# Altium PCB XMS0004.PcbDoc (part 4 of 5) (continued)
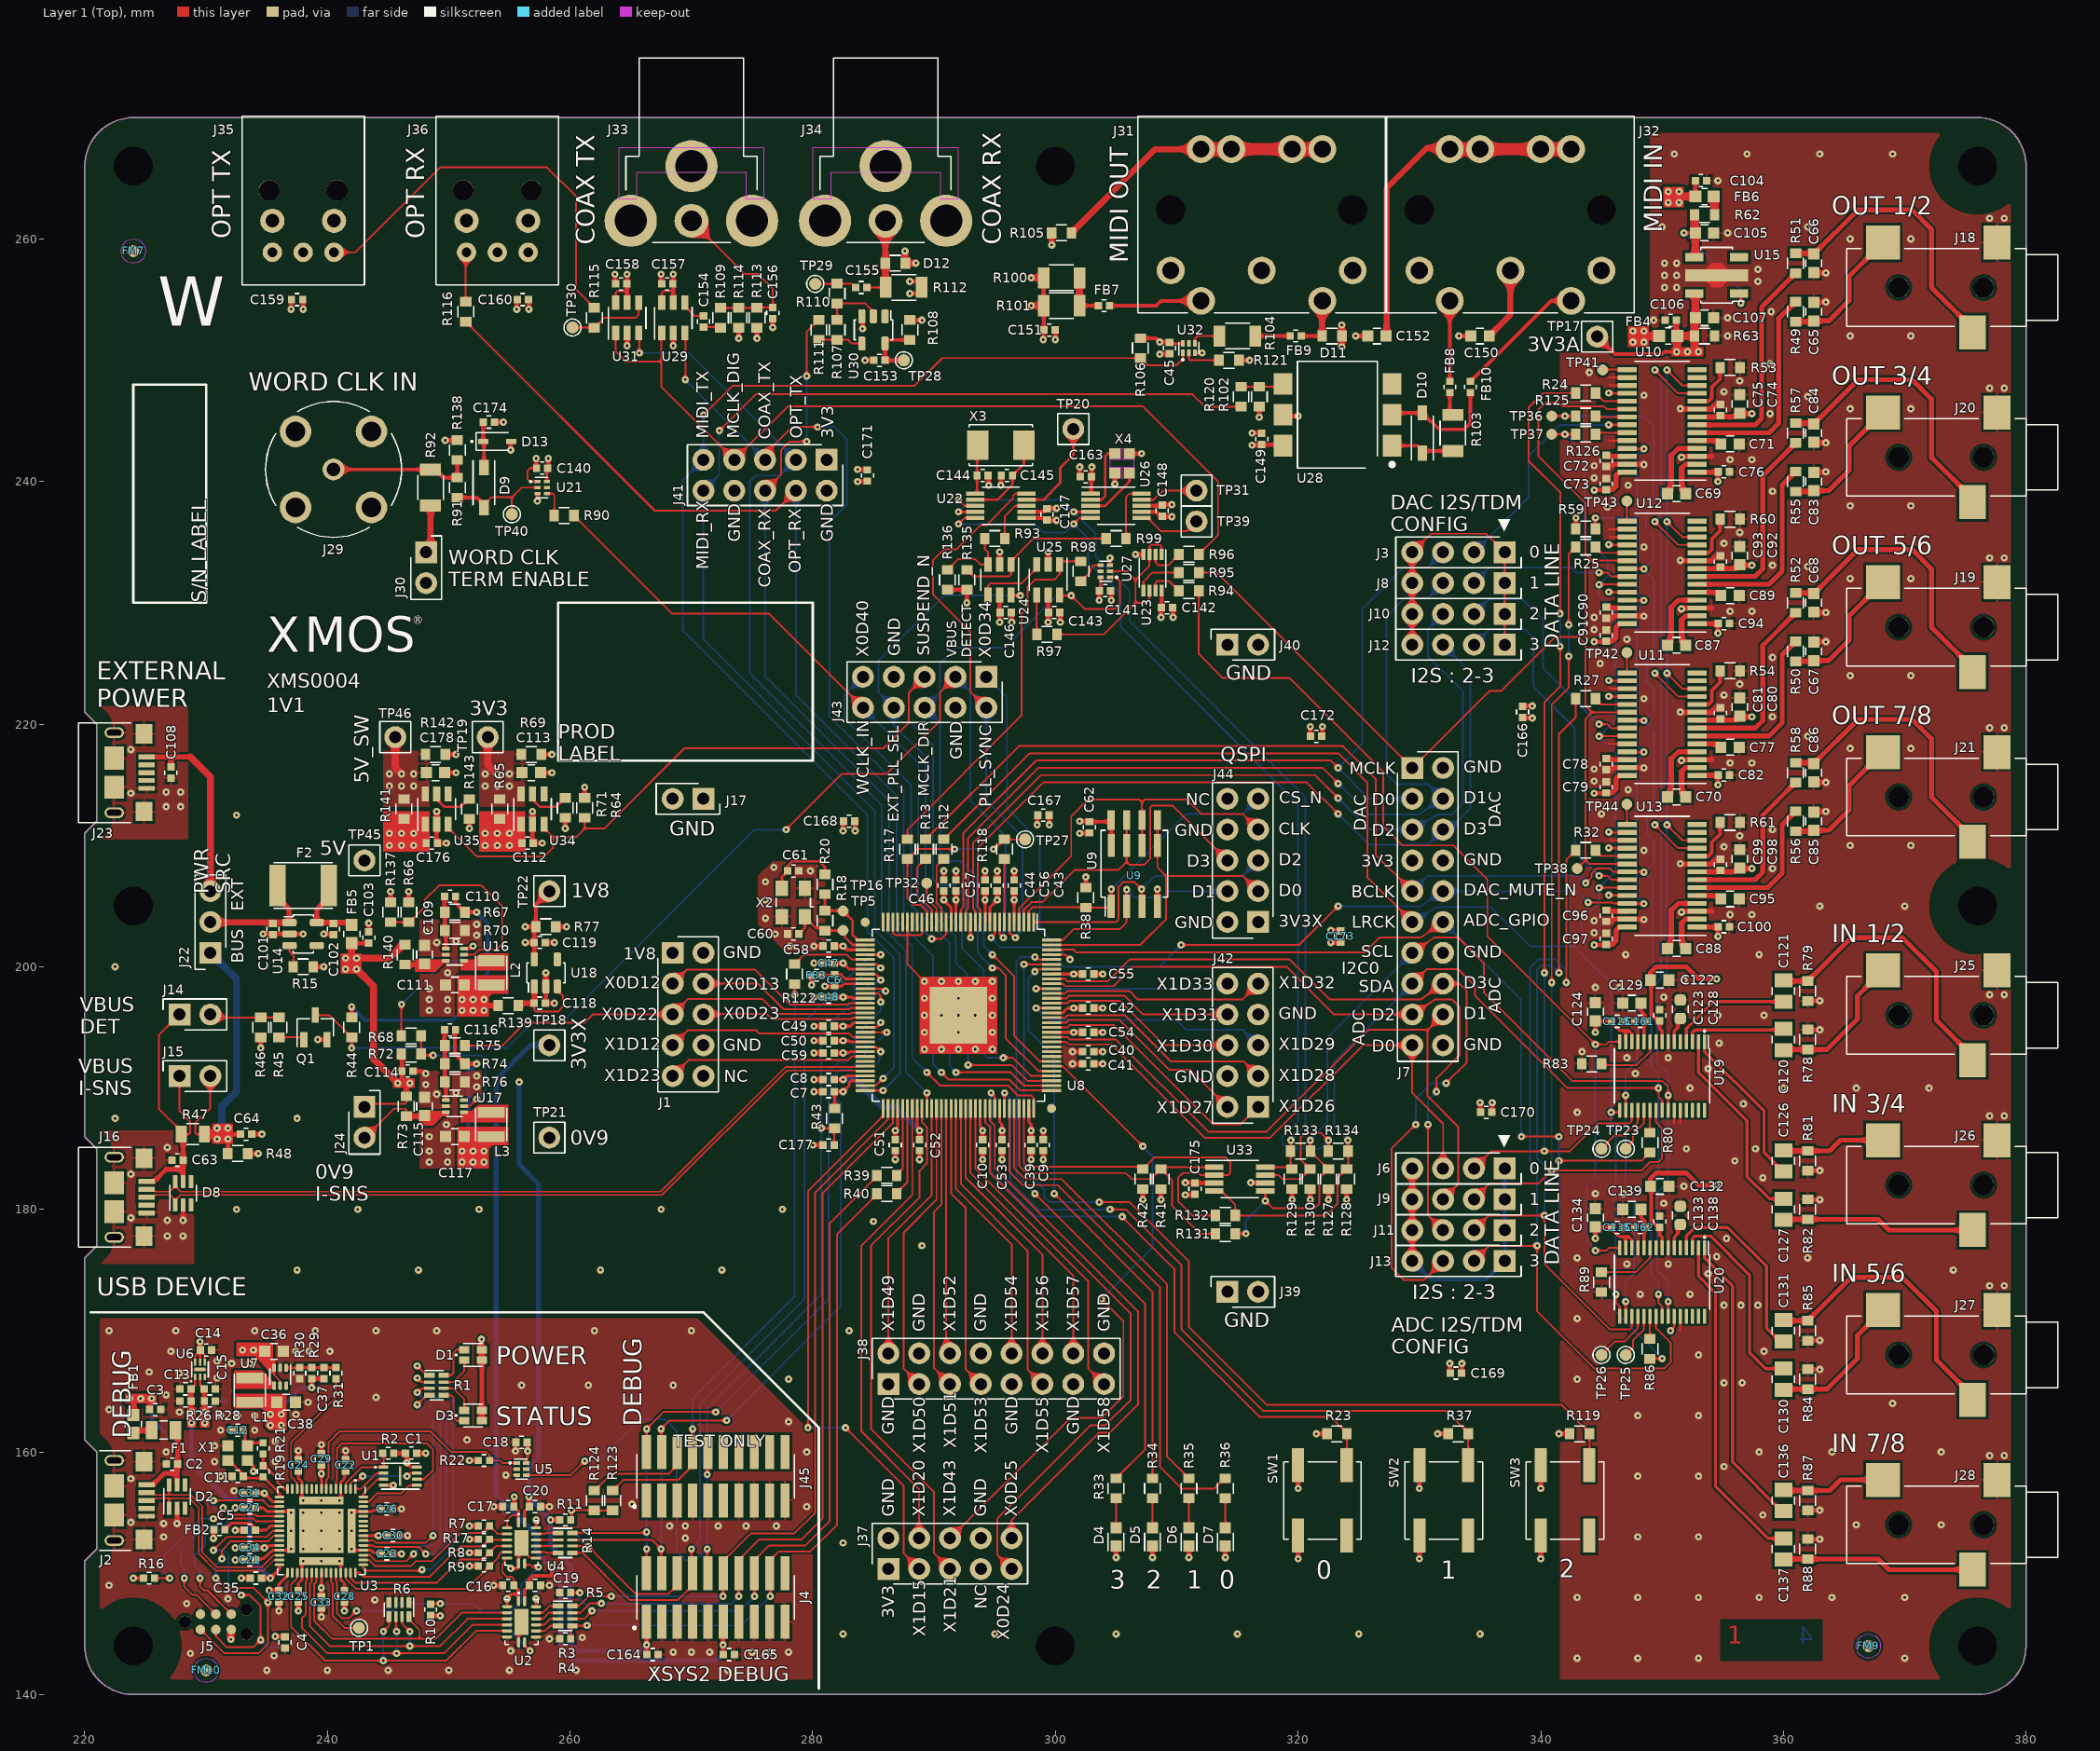
[diagram p0: Layer 1 (Top) view]
## Nets (pads, with @x,y where several pads share a name; then routed paths per layer and width w, separated by ;. In a path a pad name is that pad's centre, name@x,y a point inside that pad or via, vN(x,y) a via of type N, cw(c..) or ccw(c..) an arc to the next point about the centre after c; other vN are vias at no path point) (continued)
NetTP26_1: TP26.1 U20.19 | length 4.9
  Layer 1 (Top) w0.15: TP26.1@345,168 346.1,169.1 346.9,169.1 348,170.2 U20.19@348,171.18
NetTP31_1: TP31.1 U26.9 | length 4.8
  Layer 1 (Top) w0.15: U26.9@307.105,238.5 308.1,238.5 308.85,239.25 TP31.1@311.63,239.25
NetTP33_1: TP33.1 U8.40 | length 2.8
  Layer 1 (Top) w0.15: U8.40@284.32,199.4 284.339,199.381 285.219,199.381 285.6,199 v1(285.6,198.9)
  Layer 4 (Bottom) w0.15: TP33.1@284.5,198.4 v1(285.6,198.9)
NetTP34_1: TP34.1 U8.52 | length 2.7
  Layer 1 (Top) w0.15: U8.52@284.32,194.6 v1(286.1,194.6)
  Layer 4 (Bottom) w0.15: TP34.1@285.4,194 285.5,194 v1(286.1,194.6)
NetTP35_1: TP35.1 U8.43 | length 3.7
  Layer 1 (Top) w0.15: U8.43@284.32,198.2 285.687,198.2 285.887,198 v1(286,198)
  Layer 4 (Bottom) w0.15: TP35.1@284.5,197 285.5,198 v1(286,198)
NetTP39_1: TP39.1 U26.6 | length 5.3
  Layer 1 (Top) w0.15: U26.6@307.6,237 308.7,235.9 310.82,235.9 TP39.1@311.63,236.71
  Layer 1 (Top) w0.2: U26.6@307.105,237 U26.6@307.6,237
NetTP41_1: TP41.1 U10.15 | length 2
  Layer 1 (Top) w0.15: TP41.1@345.1,249.2 345.125,249.225 U10.15@347.12,249.225
NetTP42_1: TP42.1 U11.15 | length 1.7
  Layer 1 (Top) w0.15: TP42.1@347.1,225.9 347.1,224.245 U11.15@347.12,224.225
NetTP43_1: TP43.1 U12.15 | length 1.7
  Layer 1 (Top) w0.15: TP43.1@347.1,238.4 347.1,236.745 U12.15@347.12,236.725
NetTP44_1: TP44.1 U13.15 | length 1.7
  Layer 1 (Top) w0.15: TP44.1@347.1,213.4 347.1,211.745 U13.15@347.12,211.725
NetU24_4: U24.4 U25.3 | length 5.7
  Layer 1 (Top) w0.15: U24.4@294.45,230.645 294.45,231.45 294.6,231.6 297.2,231.6 298.45,232.85 U25.3@298.45,233.155
NetU26_2: U26.2 X4.1 | length 5.5
  Layer 1 (Top) w0.2: U26.2@302.895,238.5 303.8,238.5 304.1,238.8 304.1,242.1 304.305,242.305 X4.1@304.895,242.305
NetU26_3: U26.3 X4.3 | length 4.7
  Layer 1 (Top) w0.2: U26.3@302.895,238 304.1,238 306.105,240.005 X4.3@306.105,240.695
OE_N: R10.1 U2.9 U3.41 U4.9 | length 30.1
  Layer 1 (Top) w0.15: U3.41@240.7,150.045 240.7,149.375 240.8,149.275 240.8,146.7 241.2,146.3 241.8,146.3 v1(242.4,146.9) ; R10.1@248.5,147.455 248.545,147.5 v1(249.3,147.5) ; U2.9@256.25,144.305 256.25,144.05 v1(256.7,143.6) ; U4.9@256.25,150.805 256.355,150.7 256.7,150.7 256.9,150.5 v1(257.4,150.5)
  Layer 4 (Bottom) w0.15: v1(242.4,146.9) 245.4,146.9 246,147.5 v1(249.3,147.5) 252,147.5 252.7,146.8 255.1,146.8 ; v1(256.7,143.6) 255.1,145.2 255.1,146.8 ; v1(257.4,150.5) 256,149.1 256,147.7 255.1,146.8
OPT_RX: J41.4 R116.2 U8.97 | length 97
  Layer 1 (Top) w0.15: R116.2@251.4,253.18 266.98,237.6 276.96,237.6 J41.4@278.61,239.25 ; v1(290.6,191.3) 291.2,190.7 296.2,190.7 297.1,189.8 U8.97@299.68,189.8
  Layer 4 (Bottom) w0.15: J41.4@278.61,239.25 278.61,222.39 286.9,214.1 286.9,203.9 288.7,202.1 289.9,200.9 289.9,192 v1(290.6,191.3)
OPT_TX: J41.3 U8.74 U31.3 | length 80.5
  Layer 1 (Top) w0.15: U31.3@265.65,252.245 265.7,252.195 v1(265.7,250.6) ; U8.74@289.4,188.32 v1(289.4,189.6)
  Layer 4 (Bottom) w0.15: v1(265.7,250.6) 266.8,250.6 269.8,250.6 270.8,249.6 J41.3@278.61,241.79 277.32,240.5 275.3,240.5 274.8,240 274.8,224.2 285.7,213.3 285.7,203.3 287.7,201.3 287.7,191.3 v1(289.4,189.6)
PLL_SYNC: J43.2 U8.6 U22.5 | length 46.1
  Layer 1 (Top) w0.15: J43.2@294.3,221.36 293,222.66 293,227.6 289.9,230.7 289.9,233.5 290.8,234.4 291.8,234.4 293.8,236.4 294.3,236.4 296.5,238.6 296.5,238.8 296.7,239 U22.5@297.605,239 ; U8.6@296.2,203.68 296.2,202.8 296.6,202.4 v1(296.7,202.4)
  Layer 4 (Bottom) w0.15: J43.2@294.3,221.36 294.3,213.7 297.3,210.7 297.3,203 v1(296.7,202.4)
QSPI_CLK: J44.7 U8.4 U9.6 | length 31.3
  Layer 1 (Top) w0.15: U8.4@297,203.68 297,204.8 301.3,209.1 301.3,212.4 302.7,213.8 306.9,213.8 307.135,213.565 ; U9.6@307.135,210.005 U9.6@307.135,212.105 307.135,213.565 ; J44.7@316.71,211.31 315.42,212.6 312,212.6 310.8,213.8 307.37,213.8 307.135,213.565
QSPI_CS_N: J44.9 R38.1 U8.2 U9.1 | length 24.5
  Layer 1 (Top) w0.15: U8.2@297.8,203.68 297.8,204.6 298.1,204.9 R38.1@302.5,204.9 ; R38.1@302.5,204.88 304.58,204.88 U9.1@304.595,204.895 304.6,204.9 v1(304.6,206.4)
  Layer 4 (Bottom) w0.15: v1(304.6,206.4) 310.8,212.6 315.46,212.6 J44.9@316.71,213.85
QSPI_D0: J44.3 U8.127 U9.5 | length 26.9
  Layer 1 (Top) w0.15: U8.127@299.68,201.8 307,201.8 309.1,203.9 309.1,207.5 ; U9.5@308.405,212.105 U9.5@308.405,210.005 308.405,208.195 309.1,207.5 ; J44.3@316.71,206.23 315.44,207.5 312.9,207.5 309.1,207.5
QSPI_D1: J44.4 U8.128 U9.2 | length 18.3
  Layer 1 (Top) w0.15: U8.128@299.68,202.2 300.6,202.2 301.5,203.1 305.3,203.1 305.865,203.665 U9.2@305.865,204.895 305.869,204.899 v1(305.869,206.367)
  Layer 4 (Bottom) w0.15: v1(305.869,206.367) 306.535,205.7 308.8,205.7 309.33,206.23 J44.4@314.17,206.23
QSPI_D2: J44.5 U8.1 U9.3 | length 24.3
  Layer 1 (Top) w0.15: U8.1@298.2,203.68 304.98,203.68 305.2,203.9 305.2,206.6 305.6,207 306.5,207 v1(307.1,206.4) 307.1,204.93 U9.3@307.135,204.895 U9.3@307.135,204.995
  Layer 4 (Bottom) w0.15: v1(307.1,206.4) 308.2,207.5 315.44,207.5 J44.5@316.71,208.77
QSPI_D3: J44.6 U8.3 U9.7 | length 29.3
  Layer 1 (Top) w0.15: U8.3@297.4,203.68 297.4,204.7 298.029,205.329 298.929,205.329 301.6,208 305.2,208 305.865,208.665 ; U9.7@305.865,212.105 U9.7@305.865,210.005 305.865,208.665 ; J44.6@314.17,208.77 309.64,213.3 308,213.3 307.8,213.1 307.8,208.9 307.3,208.4 306.13,208.4 305.865,208.665
RST_N: C177.1 J4.10 J45.10 R43.1 U5.4 U8.38 | length 90
  Layer 1 (Top) w0.15: U5.4@256.385,158.1 260.05,158.1 v1(261.2,159.25) ; v1(271.3,152) 271.3,150.065 J4.10@271.365,150 ; v1(271.3,158.15) 271.3,159.935 J45.10@271.365,160 ; v1(280.7,186.7) 280.72,186.68 R43.1@281.8,186.68 281.76,186.64 C177.1@281.76,185.3 ; U8.38@284.32,200.2 285.3,200.2 v1(285.6,199.9)
  Layer 4 (Bottom) w0.15: v1(261.2,159.25) 262.35,159.25 265.8,162.7 267.8,162.7 268.8,161.7 268.8,151.8 269.5,151.1 270.4,151.1 v1(271.3,152) v1(271.3,158.15) 271.3,163.6 280.7,173 v1(280.7,186.7) 280.7,194.5 283.4,197.2 283.4,198.6 284.7,199.9 v1(285.6,199.9)
RST_N_L: R16.1 TP8.1 U3.21 | length 14.2
  Layer 1 (Top) w0.15: R16.1@225.755,149.6 v1(227,149.6) ; v1(230.6,154.5) 233.9,154.5 234.1,154.3 U3.21@236.045,154.3
  Layer 4 (Bottom) w0.15: v1(227,149.6) 226.54,150.06 TP8.1@226.54,151.5 229.54,154.5 v1(230.6,154.5)
RST_N_OUT: R22.1 U3.7 U5.1 | length 21.2
  Layer 1 (Top) w0.15: U3.7@239.9,156.955 239.9,157.7 240.1,157.9 240.1,160.8 241,161.7 248.5,161.7 250.2,160 253.1,160 253.355,159.745 R22.1@253.355,159.3 254.2,159.3 254.4,159.1 U5.1@255.615,159.1
SUSPEND_N: J43.5 R64.2 U8.101 U34.3 U35.3 | length 90.5
  Layer 1 (Top) w0.15: U35.3@249.95,211.745 249.95,211.45 252.3,209.1 257.9,209.1 258.6,209.8 258.6,210.7 ; U34.3@257.85,211.745 257.85,211.45 258.6,210.7 ; R64.2@261.2,212.28 261.2,211.4 ; J43.5@289.22,223.9 287.9,222.58 287.9,220.1 285.8,218 269.4,218 262.8,211.4 261.2,211.4 ; v1(294.8,199.9) 295.3,199.9 295.9,199.3 295.9,194.1 298.6,191.4 U8.101@299.68,191.4 ; 258.6,210.7 260.5,210.7 261.2,211.4
  Layer 4 (Bottom) w0.15: J43.5@289.22,223.9 287.9,222.58 287.9,220.3 289.9,218.3 289.9,207.25 290.45,206.7 291.7,206.7 292.6,205.8 292.6,204.5 293.6,203.5 293.6,201.1 v1(294.8,199.9)
TCK: J4.4 J45.4 R14.7 U8.51 | length 67.5
  Layer 1 (Top) w0.15: R14.7@260.18,152.75 266.75,152.75 v1(267.5,152) 267.5,150.055 J4.4@267.555,150 ; J45.4@267.5,159.945 J45.4@267.555,160 267.5,160.055 v1(267.5,161.9) 268.2,162.6 v1(272.9,162.6) ; U8.51@284.32,195 285.254,195 285.6,195.346 v1(285.6,195.4)
  Layer 4 (Bottom) w0.15: v1(267.5,152) v1(267.5,161.9) ; v1(272.9,162.6) 282.3,172 282.3,188.7 281.9,189.1 281.9,191.1 282.3,191.5 283,191.5 284.4,192.9 284.4,194.2 v1(285.6,195.4)
TCK_L: J5.1 TP3.1 U3.24 | length 25.2
  Layer 1 (Top) w0.15: J5.1@229.53,145.365 231.495,143.4 234.3,143.4 235.1,144.2 v1(235.1,147.6) 233.9,148.8 231.6,148.8 v1(230.8,149.6) ; v1(231.3,151.2) 231.3,151.9 232.05,152.65 235.125,152.65 235.575,153.1 U3.24@236.045,153.1
  Layer 4 (Bottom) w0.15: v1(230.8,149.6) 230.8,150.7 v1(231.3,151.2) ; v1(235.1,147.6) 236.46,148.96 TP3.1@236.7,148.96
TDI: J4.8 R14.5 U8.36 | length 72.2
  Layer 1 (Top) w0.15: R14.5@260.18,151.675 261.025,151.675 264.9,147.8 268.9,147.8 269.775,148.675 269.795,148.675 270.095,148.975 J4.8@270.095,150 270,150.095 v1(270,152) ; U8.36@284.32,201 v1(285.6,201)
  Layer 4 (Bottom) w0.15: v1(270,152) 270.7,152.7 270.7,164 279.3,172.6 279.3,195.44 284.86,201 v1(285.6,201)
TDI_L: J5.4 TP6.1 U3.18 | length 20.4
  Layer 1 (Top) w0.15: v1(228.2,149.6) 228.2,148.9 228.9,148.2 229.235,148.2 J5.4@230.8,146.635 ; v1(230.6,156) 234.7,156 235.2,155.5 U3.18@236.045,155.5
  Layer 4 (Bottom) w0.15: v1(228.2,149.6) 228.2,150.4 227.9,150.7 227.9,151.9 229.9,153.9 230.9,153.9 231.2,154.2 231.2,154.8 230.6,155.4 v1(230.6,156) 229.66,156 TP6.1@229.08,156.58
TDO: J4.6 R11.1 R14.6 R123.2 R124.1 | length 19.4
  Layer 1 (Top) w0.15: R11.1@260.055,154.4 260.1,154.445 v1(260.1,155.2) 261.98,155.2 R124.1@262,155.18 R123.2@263.5,155.18 ; R14.6@260.18,152.25 261.45,152.25 v1(261.5,152.2) 265.4,148.3 268.1,148.3 268.475,148.675 268.525,148.675 268.825,148.975 J4.6@268.825,150 J4.6@268.8,150.025
  Layer 4 (Bottom) w0.15: v1(260.1,155.2) 260.1,153.6 v1(261.5,152.2)
TDO_EXT: J45.6 R124.2 | length 8.8
  Layer 1 (Top) w0.15: R124.2@262,156.82 263.38,158.2 268.1,158.2 268.825,158.925 J45.6@268.825,160
TDO_L: J5.6 TP7.1 U3.20 | length 16.8
  Layer 1 (Top) w0.15: v1(229.5,149.6) 229.5,148.9 229.8,148.6 230.105,148.6 J5.6@232.07,146.635 ; v1(231.4,155.4) 231.975,154.825 234.075,154.825 234.2,154.7 U3.20@236.045,154.7
  Layer 4 (Bottom) w0.15: v1(229.5,149.6) 229.5,150.2 229.08,150.62 TP7.1@229.08,151.5 229.9,152.32 229.9,153 230.4,153.5 231.1,153.5 231.8,154.2 231.8,155 v1(231.4,155.4)
TDO_X: J45.8 R122.1 R123.1 | length 50.6
  Layer 1 (Top) w0.15: R123.1@263.5,156.82 264.38,157.7 268.9,157.7 270.095,158.895 J45.8@270.095,160 270.1,160.005 v1(270.1,161.9) ; v1(278.5,197.7) R122.1@278.5,198.58
  Layer 4 (Bottom) w0.15: v1(270.1,161.9) 270.1,164.4 278.5,172.8 278.5,181.7 v1(278.5,197.7)
TMS: J4.2 J45.2 R14.8 U8.44 | length 67.9
  Layer 1 (Top) w0.15: R14.8@260.18,153.325 266.225,153.325 v1(266.3,153.4) ; J4.2@266.285,150 266.3,150.015 v1(266.3,152) ; J45.2@266.3,159.985 J45.2@266.285,160 266.3,160.015 v1(266.3,161.9) 267.7,163.3 v1(272,163.3) ; U8.44@284.32,197.8 285.4,197.8 285.6,197.6 v1(285.6,197.1)
  Layer 4 (Bottom) w0.15: v1(266.3,152) v1(266.3,153.4) v1(266.3,161.9) ; v1(272,163.3) 281.3,172.6 281.3,191.3 282.1,192.1 282.7,192.1 283.5,192.9 283.5,194.3 285.6,196.4 v1(285.6,197.1)
TMS_L: J5.3 TP4.1 U3.23 | length 23.4
  Layer 1 (Top) w0.15: v1(230.6,151.9) 231.7,153 235,153 235.5,153.5 U3.23@236.045,153.5 ; J5.3@230.8,145.365 230.8,144.8 231.7,143.9 233.9,143.9 v1(234.5,144.5) 234.5,147.3 233.6,148.2 v1(232.9,148.2)
  Layer 4 (Bottom) w0.15: v1(230.6,151.9) 231.5,151.9 231.85,151.55 231.85,149.25 v1(232.9,148.2) ; v1(234.5,144.5) 235.12,143.88 TP4.1@236.7,143.88
USB_D_N: D8.6 J16.2 U8.59 | length 64.7
  Layer 1 (Top) w0.13: J16.2@225.1,181.65 225.575,181.65 225.76,181.465 226.993,181.465 227.45,181.922 D8.6@227.45,182.29 227.45,181.975 227.45,181.912 227.897,181.465 231.897,181.465 267.469,181.465 277.744,191.74 283.529,191.74 283.534,191.745 284.265,191.745 U8.59@284.32,191.8
USB_D_P: D8.1 J16.3 U8.60 | length 64.3
  Layer 1 (Top) w0.13: J16.3@225.1,181 225.575,181 225.76,181.185 227.015,181.185 D8.1@227.45,180.75 ; D8.1@227.45,180.36 D8.1@227.45,180.75 ; U8.60@284.32,191.4 284.265,191.455 283.534,191.455 283.529,191.46 277.86,191.46 267.585,181.185 231.782,181.185 227.885,181.185 D8.1@227.45,180.75
USB_VBUS: C64.1 J15.2 J22.1 R47.2 R48.2 | length 25.6
  Layer 1 (Top) w0.15: R47.2@229.82,186.2 229.2,186.2 229.1,186.3 229.1,187.1 230.35,188.35 J15.2@230.35,190.99
  Layer 1 (Top) w0.3: R48.2@231.78,184.6 231.8,184.62 v1(231.8,185.8) ; 231.8,186.2 C64.1@232.84,186.2
  Layer 1 (Top) w0.4: v1@231.78,186.72 v1(231.8,186.7)
  Layer 1 (Top) w0.6: R47.2@229.82,186.2 230.9,186.2
  Layer 4 (Bottom) w0.6: J22.1@230.35,201.15 232.5,199 232.5,189.7 231.3,188.5 231.3,186.3
  other v1: 230.9,185.8 230.9,186.7
VBUS: C63.1 D8.5 J14.1 J15.1 J16.1 R47.1 | length 24.1
  Layer 1 (Top) w0.15: J15.1@227.81,190.99 227.81,188.09 228.7,187.2 228.7,186.3 228.6,186.2 R47.1@228.08,186.2 ; J14.1@227.81,196.07 226.1,194.36 226.1,188.3 R47.1@227.9,186.5
  Layer 1 (Top) w0.4: J16.1@225.1,182.3 225.7,182.3 226.7,183.3 228.1,183.3 ; D8.5@228.1,182.29 228.1,183.3 ; R47.1@228.18,186.2 228.1,186.12 228.1,183.3
VBUS_DETECT: J43.3 Q1.3 R44.1 U8.8 | length 93.4
  Layer 1 (Top) w0.15: Q1.3@239.195,195.82 Q1.3@239,196.015 240.165,196.015 R44.1@242,194.18 v1(242,193.3) ; v1(277.8,211.3) 282.4,215.9 286.1,215.9 290.5,220.3 290.5,222.64 J43.3@291.76,223.9 ; U8.8@295.4,203.68 295.4,202.7 v1(295.7,202.4)
  Layer 4 (Bottom) w0.15: v1(242,193.3) 254.8,193.3 256.9,195.4 259.3,195.4 275.2,211.3 v1(277.8,211.3) ; J43.3@291.76,223.9 293,222.66 293,213.7 295.9,210.8 295.9,204.8 295.7,204.6 v1(295.7,202.4)
WCLK_IN: J43.10 R90.2 U8.99 | length 70.8
  Layer 1 (Top) w0.15: R90.2@260.32,237.2 268.42,229.1 276.4,229.1 J43.10@284.14,221.36 ; v1(292.8,191.9) 296.4,191.9 297.7,190.6 U8.99@299.68,190.6
  Layer 4 (Bottom) w0.15: J43.10@284.14,221.36 288.7,216.8 288.7,205.49 291.8,202.39 291.8,200.3 292.8,199.3 v1(292.8,191.9)
X0D12: J1.3 U8.46 | length 17.6
  Layer 1 (Top) w0.15: J1.3@268.45,198.61 269.6,199.76 275.24,199.76 278.1,196.9 282.9,196.9 283,197 U8.46@284.32,197
X0D13: J1.4 U8.47 | length 14.2
  Layer 1 (Top) w0.15: J1.4@270.99,198.61 275.49,198.61 277.6,196.5 283,196.5 283.1,196.6 U8.47@284.32,196.6
X0D22: J1.5 R75.1 U8.48 | length 35.2
  Layer 1 (Top) w0.15: R75.1@251.32,193.5 254.4,193.5 256.3,195.4 261.2,195.4 261.87,196.07 J1.5@268.45,196.07 269.74,197.36 275.84,197.36 277.1,196.1 283.1,196.1 283.2,196.2 U8.48@284.32,196.2
X0D23: J1.6 U8.49 | length 13.5
  Layer 1 (Top) w0.15: J1.6@270.99,196.07 271.02,196.1 276.2,196.1 276.6,195.7 283.2,195.7 283.3,195.8 U8.49@284.32,195.8
X0D24: J37.9 U8.86 | length 48.7
  Layer 1 (Top) w0.15: U8.86@294.2,188.32 294.2,187.2 294.6,186.8 294.6,183 306.2,171.4 306.2,164.3 304.1,162.2 302.9,162.2 295.2,154.5 295.2,151.54 J37.9@296.39,150.35
X0D25: J37.10 U8.87 | length 45.3
  Layer 1 (Top) w0.15: U8.87@294.6,188.32 294.6,187.3 295,186.9 295,183.4 306.8,171.6 306.8,163.9 304.5,161.6 303.6,161.6 296.39,154.39 J37.10@296.39,152.89
X0D34: J43.1 U8.125 | length 27.8
  Layer 1 (Top) w0.15: U8.125@299.68,201 300.8,201 v1(301.2,200.6)
  Layer 4 (Bottom) w0.15: J43.1@294.3,223.9 296,222.2 296,213.1 298.7,210.4 298.7,203.1 v1(301.2,200.6)
X0D40: J43.9 U8.98 | length 45.4
  Layer 1 (Top) w0.15: v1(291.8,191.3) 296.3,191.3 297.4,190.2 U8.98@299.68,190.2
  Layer 4 (Bottom) w0.15: J43.9@284.14,223.9 282.6,222.36 282.6,220.5 288.1,215 288.1,205.1 291.3,201.9 291.3,191.8 v1(291.8,191.3)
X1D09: TP32.1 U8.21 | length 3.6
  Layer 1 (Top) w0.15: TP32.1@289.4,206.9 289.4,205.6 290.2,204.8 U8.21@290.2,203.68
X1D12: J1.7 U8.53 | length 16.6
  Layer 1 (Top) w0.15: J1.7@268.45,193.53 269.68,194.76 275.34,194.76 275.6,194.5 283,194.5 283.3,194.2 U8.53@284.32,194.2
X1D15: J37.3 U8.65 | length 46.2
  Layer 1 (Top) w0.15: v1(279.6,162) 279.6,181.5 285.715,187.615 285.755,187.615 285.8,187.66 U8.65@285.8,188.32 ; v1(282.7,162) 287.5,157.2 287.5,151.62 J37.3@288.77,150.35
  Layer 4 (Bottom) w0.15: v1(279.6,162) v1(282.7,162)
X1D20: J37.4 U8.71 | length 39.1
  Layer 1 (Top) w0.15: U8.71@288.2,188.32 288.2,181.2 284,177 284,161.7 288.77,156.93 J37.4@288.77,152.89
X1D21: J37.5 U8.73 | length 42.7
  Layer 1 (Top) w0.15: U8.73@289,188.32 289,187.2 289.4,186.8 289.4,183.8 288.8,183.2 288.8,181 284.8,177 284.8,161.9 290,156.7 290,151.66 J37.5@291.31,150.35
X1D23: J1.9 U8.57 | length 16.5
  Layer 1 (Top) w0.15: J1.9@268.45,190.99 269.76,192.3 273.9,192.3 279.7,192.3 282.9,192.3 283.2,192.6 U8.57@284.32,192.6
X1D26: J42.1 U8.110 | length 21.1
  Layer 1 (Top) w0.15: U8.110@299.68,195 301,195 301.2,195.2 304.8,195.2 313,187 315.26,187 J42.1@316.71,188.45
X1D27: J42.2 U8.111 | length 17.5
  Layer 1 (Top) w0.15: U8.111@299.68,195.4 300.9,195.4 301.1,195.6 305.3,195.6 309.4,191.5 311.12,191.5 J42.2@314.17,188.45
X1D28: J42.3 U8.112 | length 19.2
  Layer 1 (Top) w0.15: U8.112@299.68,195.8 300.8,195.8 301,196 305.7,196 309.5,192.2 315.5,192.2 J42.3@316.71,190.99
X1D29: J42.5 U8.114 | length 20.9
  Layer 1 (Top) w0.15: v1(298.4,196.6) U8.114@299.68,196.6 U8.114@299.705,196.625
  Layer 4 (Bottom) w0.15: v1(298.4,196.6) 299.4,195.6 310,195.6 310.8,194.8 315.44,194.8 J42.5@316.71,193.53
X1D30: J42.6 U8.115 | length 16.1
  Layer 1 (Top) w0.15: U8.115@299.68,197 301,197 301.2,197.2 305.3,197.2 308.97,193.53 J42.6@314.17,193.53
X1D31: J42.8 U8.116 | length 15.2
  Layer 1 (Top) w0.15: U8.116@299.68,197.4 300.9,197.4 301.1,197.6 305.7,197.6 307.23,196.07 J42.8@314.17,196.07
X1D32: J42.9 U8.117 | length 17.9
  Layer 1 (Top) w0.15: U8.117@299.68,197.8 300.8,197.8 301,198 306.1,198 306.8,197.3 315.4,197.3 J42.9@316.71,198.61
X1D33: J42.10 U8.118 | length 17.2
  Layer 1 (Top) w0.15: v1(298.4,198.2) U8.118@299.68,198.2 ; J42.10@314.16,198.6 J42.10@314.17,198.61
  Layer 4 (Bottom) w0.15: v1(298.4,198.2) 313.314,198.2 313.724,198.61 J42.10@314.17,198.61
X1D43: J37.6 U8.102 | length 52.8
  Layer 1 (Top) w0.15: J37.6@291.31,152.89 301.22,162.8 303.8,162.8 305.6,164.6 305.6,170.8 v1(303.8,172.6) ; U8.102@299.68,191.8 300.6,191.8 v1(307.2,185.2)
  Layer 4 (Bottom) w0.15: v1(303.8,172.6) 308,176.8 308,184.4 v1(307.2,185.2)
X1D49: J38.2 U8.75 | length 21.7
  Layer 1 (Top) w0.15: J38.2@286.23,168.13 286.23,177.63 289.8,181.2 U8.75@289.8,188.32
X1D50: J38.3 U8.76 | length 24.4
  Layer 1 (Top) w0.15: J38.3@288.77,165.59 287.5,166.86 287.5,178.1 290.2,180.8 U8.76@290.2,188.32
X1D51: J38.5 U8.77 | length 23.5
  Layer 1 (Top) w0.15: U8.77@290.6,188.32 290.6,180.4 290,179.8 290,166.9 J38.5@291.31,165.59
X1D52: J38.6 U8.78 | length 20.3
  Layer 1 (Top) w0.15: U8.78@291,188.32 291,168.44 J38.6@291.31,168.13
X1D53: J38.7 U8.79 | length 23.7
  Layer 1 (Top) w0.15: U8.79@291.4,188.32 291.4,181.3 292.6,180.1 292.6,166.84 J38.7@293.85,165.59
X1D54: J38.10 U8.80 | length 22.1
  Layer 1 (Top) w0.15: U8.80@291.8,188.32 291.8,181.7 296.39,177.11 J38.10@296.39,168.13
X1D55: J38.11 U8.81 | length 25.5
  Layer 1 (Top) w0.15: U8.81@292.2,188.32 292.2,182.1 297.7,176.6 297.7,166.82 J38.11@298.93,165.59
X1D56: J38.12 U8.82 | length 22.8
  Layer 1 (Top) w0.15: U8.82@292.6,188.32 292.6,182.6 298.93,176.27 J38.12@298.93,168.13
X1D57: J38.14 U8.83 | length 23.7
  Layer 1 (Top) w0.15: U8.83@293,188.32 293,183 301.47,174.53 J38.14@301.47,168.13
X1D58: J38.15 U8.84 | length 27.1
  Layer 1 (Top) w0.15: U8.84@293.4,188.32 293.4,183.4 302.7,174.1 302.7,166.9 J38.15@304.01,165.59
X_ADC_D0: J6.3 J7.19 U8.107 | length 47.4
  Layer 1 (Top) w0.15: U8.107@299.68,193.8 300.9,193.8 301.1,193.6 304.6,193.6 312.3,185.9 317.7,185.9 325.33,193.53 J7.19@329.41,193.53 329.41,189.59 331.95,187.05 J6.3@331.95,183.37
X_ADC_D1: J7.18 J9.3 U8.108 | length 55
  Layer 1 (Top) w0.15: U8.108@299.68,194.2 301,194.2 301.2,194 305,194 312.6,186.4 317.4,186.4 325.8,194.8 330.68,194.8 ; J9.3@331.95,180.83 333.2,182.08 333.2,186.8 330.68,189.32 330.68,194.8 ; J7.18@331.95,196.07 330.68,194.8
X_ADC_D2: J7.17 J11.3 U8.119 | length 56.6
  Layer 1 (Top) w0.15: U8.119@299.68,198.6 300.6,198.6 300.8,198.4 304.8,198.4 306.4,200 319.037,200 322.967,196.07 J7.17@329.41,196.07 331.3,197.3 332.7,197.3 333.3,196.7 333.3,192.7 331.4,190.8 v1(331.4,189.7) ; v1(330.7,187) 330.7,179.54 J11.3@331.95,178.29
  Layer 4 (Bottom) w0.15: v1(330.7,187) 330.7,189 v1(331.4,189.7)
X_ADC_D3: J7.16 J13.3 U8.120 | length 68.5
  Layer 1 (Top) w0.15: U8.120@299.68,199 300.8,199 301,198.8 304.3,198.8 306.1,200.6 319.3,200.6 322.6,197.3 330.1,197.3 J7.16@331.95,198.61 333.29,198.61 333.9,198 333.9,192.1 v1(332.2,190.4) ; v1(329.7,187) 327.7,185 327.7,175.2 328.7,174.2 330.4,174.2 J13.3@331.95,175.75
  Layer 4 (Bottom) w0.15: v1(329.7,187) 329.7,189.1 331,190.4 v1(332.2,190.4)
X_DAC_D0: J3.3 J7.3 U8.16 | length 70.7
  Layer 1 (Top) w0.15: U8.16@292.2,203.68 292.2,204.7 292.4,204.9 292.4,211 298.4,217 322.7,217 v1(323.3,216.4)
  Layer 4 (Bottom) w0.15: J7.3@329.41,213.85 325.85,213.85 v1(323.3,216.4) 325.3,218.4 325.3,229.5 328.7,232.9 330.68,232.9 J3.3@331.95,234.17
X_DAC_D1: J7.4 J8.3 U8.15 | length 74.8
  Layer 1 (Top) w0.15: U8.15@292.6,203.68 292.6,204.6 292.8,204.8 292.8,210.6 298.6,216.4 322,216.4 v1(323.3,215.1)
  Layer 4 (Bottom) w0.15: v1(323.3,215.1) 325.84,212.56 329.9,212.56 J7.4@331.95,213.85 330.74,215.06 328.1,215.06 327.3,215.86 327.3,228.9 328.8,230.4 330.72,230.4 J8.3@331.95,231.63
X_DAC_D2: J7.5 J10.3 U8.13 | length 69.2
  Layer 1 (Top) w0.15: U8.13@293.4,203.68 293.4,204.6 293.2,204.8 293.2,210.2 298.8,215.8 321.4,215.8 v1(323.3,213.9)
  Layer 4 (Bottom) w0.15: v1(323.3,213.9) 325.89,211.31 J7.5@329.41,211.31 331.5,212.56 332.7,212.56 333.6,213.46 333.6,222.7 330.7,225.6 330.7,227.84 J10.3@331.95,229.09
X_DAC_D3: J7.6 J12.3 U8.12 | length 66.8
  Layer 1 (Top) w0.15: U8.12@293.8,203.68 293.8,204.7 293.6,204.9 293.6,209.8 299,215.2 320.7,215.2 v1(323.3,212.6)
  Layer 4 (Bottom) w0.15: v1(323.3,212.6) 325.84,210.06 330.7,210.06 J7.6@331.95,211.31 332.45,211.31 334.2,213.06 334.2,224.3 J12.3@331.95,226.55
XL_DN0: J4.14 R3.7 U8.67 | length 61.8
  Layer 1 (Top) w0.15: R3.7@260.18,146.75 260.85,146.75 261.614,147.514 v1(262.586,147.514) ; v1(273.9,148.1) 273.9,149.995 J4.14@273.905,150 273.905,151.105 275.6,152.8 279.1,152.8 280.8,154.5 280.8,181.3 286.6,187.1 U8.67@286.6,188.32
  Layer 4 (Bottom) w0.15: v1(262.586,147.514) 262.799,147.514 262.813,147.5 273.3,147.5 v1(273.9,148.1)
XL_DN1: J4.12 R3.8 U8.66 | length 60.7
  Layer 1 (Top) w0.15: R3.8@260.18,147.325 260.725,147.325 261.5,148.1 v1(263.4,148.1) ; v1(272.6,148.1) 272.6,149.965 J4.12@272.635,150 272.635,151.035 274.9,153.3 278.5,153.3 280.2,155 280.2,181.4 286.2,187.4 U8.66@286.2,188.32
  Layer 4 (Bottom) w0.15: v1(263.4,148.1) v1(272.6,148.1)
XL_UP0: J4.16 R3.6 R5.2 R39.2 | length 59.1
  Layer 1 (Top) w0.15: R5.2@260.055,148.4 v1(260.8,148.4) ; R3.6@260.18,146.25 261.15,146.25 v1(261.8,146.9) ; v1(275.2,148.1) 275.2,149.975 J4.16@275.175,150 275.175,151.075 276.4,152.3 279.4,152.3 281.4,154.3 281.4,178.85 285.28,182.73 R39.2@285.28,182.8
  Layer 4 (Bottom) w0.15: v1(260.8,148.4) 260.8,147.9 v1(261.8,146.9) 274,146.9 v1(275.2,148.1)
XL_UP1: J4.18 R3.5 R4.2 R40.2 | length 56.8
  Layer 1 (Top) w0.15: R4.2@260.055,144.6 260.055,145.55 R3.5@260.18,145.675 v1@261.4,145.675 ; v1(276.5,148.1) 276.5,149.945 J4.18@276.445,150 276.445,151.045 277.2,151.8 279.8,151.8 282,154 282,177.95 285.28,181.23 R40.2@285.28,181.3
  Layer 4 (Bottom) w0.15: v1(261.4,145.7) 274.1,145.7 v1(276.5,148.1)
XS_TCK: R17.2 U3.45 U4.4 | length 14
  Layer 1 (Top) w0.15: U3.45@242.3,150.045 242.655,150.045 243,149.7 248.4,149.7 250.925,152.225 252.783,152.225 253.355,152.797 R17.2@253.355,152.8 253.405,152.75 U4.4@254.805,152.75
XS_TDSNK: R8.1 U3.44 U4.5 | length 14.8
  Layer 1 (Top) w0.15: U3.44@241.9,150.045 241.9,149.6 242.3,149.2 249,149.2 250.925,151.125 252.783,151.125 253.355,151.697 R8.1@253.355,151.7 253.905,152.25 U4.5@254.805,152.25
XS_TDSRC: R9.1 U3.43 U4.6 | length 15.5
  Layer 1 (Top) w0.15: U3.43@241.5,150.045 241.5,149.576 242.376,148.7 251.458,148.7 253.355,150.597 R9.1@253.355,150.6 253.4,150.6 254.1,151.3 254.1,151.5 254.35,151.75 U4.6@254.805,151.75
XS_TMS: R7.1 U3.47 U4.3 | length 13.7
  Layer 1 (Top) w0.15: U3.47@242.955,151.1 243.4,151.1 243.9,150.6 246.9,150.6 247.3,151 248.6,151 250.925,153.325 252.783,153.325 253.355,153.897 R7.1@253.355,153.9 254.005,153.25 U4.3@254.805,153.25
XS_XL_DN0: R6.7 U2.4 U3.36 | length 25
  Layer 1 (Top) w0.15: U3.36@238.7,150.045 238.7,149.324 238.55,149.174 238.55,145.65 240.2,144 249.3,144 251.55,146.25 U2.4@254.805,146.25 ; R6.7@246.15,146.42 246.15,145.85 v1(246.8,145.2)
  Layer 4 (Bottom) w0.15: v1(246.8,144) v1(246.8,145.2)
XS_XL_DN1: R6.8 U2.3 U3.37 | length 23.6
  Layer 1 (Top) w0.15: U3.37@239.1,150.045 239.1,149.3 238.9,149.1 238.9,146.1 240.4,144.6 247.6,144.6 ; R6.8@246.725,146.42 246.725,146.205 247.6,145.33 247.6,144.6 ; U2.3@254.805,146.75 251.05,146.75 248.9,144.6 247.6,144.6
XS_XL_UP0: R6.6 U2.5 U3.35 | length 26.5
  Layer 1 (Top) w0.15: U3.35@238.3,150.045 238.3,149.375 238.2,149.275 238.2,146.6 237.9,146.3 237.9,145.5 240,143.4 249.6,143.4 251.95,145.75 U2.5@254.805,145.75 ; R6.6@245.65,146.42 245.65,145.25 v1(245.7,145.2)
  Layer 4 (Bottom) w0.15: v1(245.7,143.4) v1(245.7,145.2)
XS_XL_UP1: R6.5 U2.6 U3.33 | length 28.4
  Layer 1 (Top) w0.15: U3.33@237.5,150.045 237.5,149.575 237,149.075 237,145.6 239.8,142.8 249.8,142.8 252.25,145.25 U2.6@254.805,145.25 ; v1(244.6,145.2) 245.075,145.675 R6.5@245.075,146.42
  Layer 4 (Bottom) w0.15: v1(244.6,142.8) v1(244.6,145.2)
pads on no net: D2.3 D2.4 D8.3 D8.4 FM5.1 FM6.1 FM7.1 FM8.1 FM9.1 FM10.1 J1.10 J2.4 J4.20 J5.0 J16.4 J18.MTG J19.MTG J20.MTG J21.MTG J23.2 J23.3 J23.4 J25.MTG J26.MTG J27.MTG J28.MTG J31.0 J31.1 J31.3 J32.0 J32.1 J32.3 J35.0 J36.0 J37.7 J44.10 J45.1 J45.11 J45.12 J45.14 J45.16 J45.18 J45.20 SW1.1B SW2.1B SW3.1B U1.9 U3.6 U3.9 U3.10 U3.11 U3.14 U3.25 U3.32 U3.39 U3.53 U3.54 U3.55 U3.56 U3.58 U5.5 U7.6 U8.25 U8.26 U8.28 U8.29 U8.31 U8.32 U8.58 U8.FID1 U8.FID2 U10.13 U10.14 U11.13 U11.14 U12.13 U12.14 U13.13 U13.14 U14.4 U15.3 U17.6 U18.4 U19.5 U19.9 U19.27 U19.28 U19.29 U19.30 U20.5 U20.9 U20.27 U20.28 U20.29 U20.30 U21.5 U27.5 U28.3 U30.1 U32.5 U34.4 U35.4